# Altium PCB second.PcbDoc
Units mm, origin at the board's own origin, x right, y up, seen from the top; angles counter-clockwise.
Board outline 173.35 x 119.25 mm, 2 copper layers (Top Layer, Bottom Layer); 150 components, 118 nets, 424 pads, 45 vias.
Unrouted connection lines stored in the file: 1.
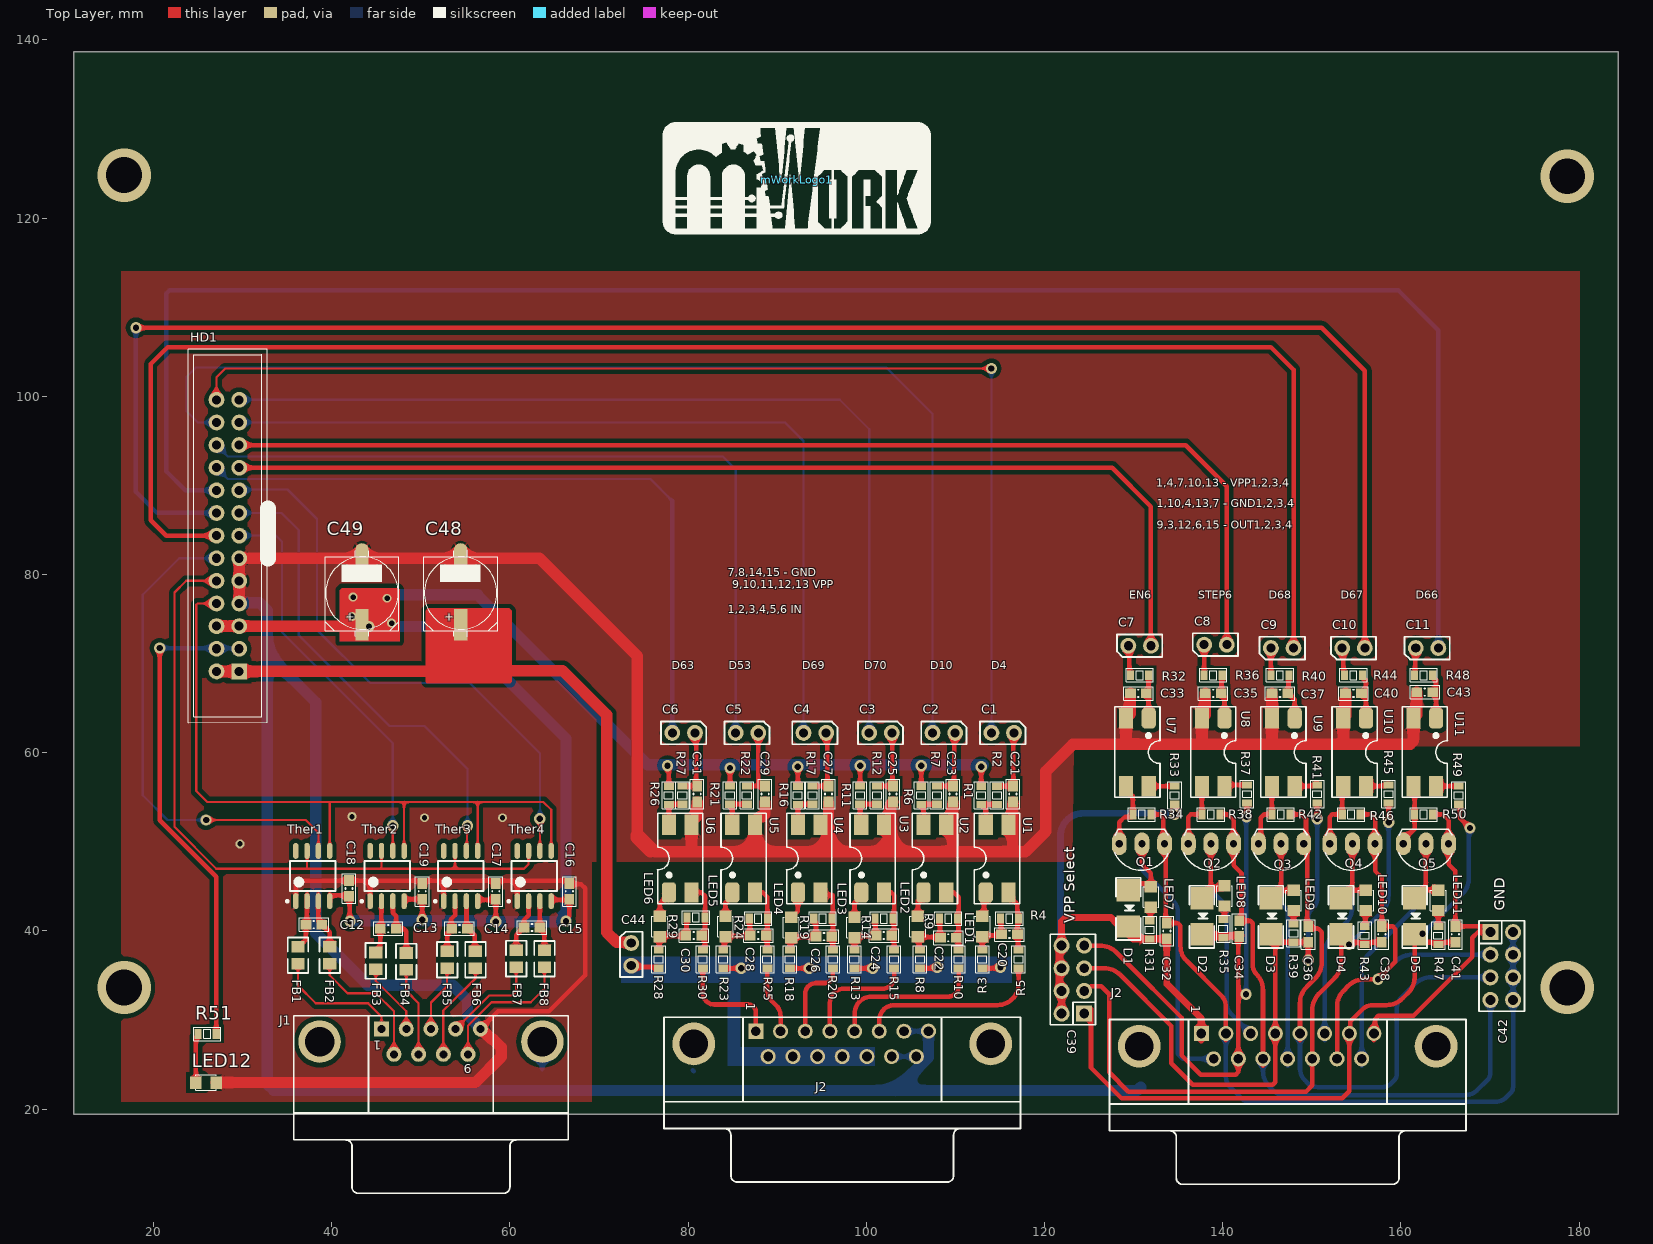
[diagram p0: Top Layer view]
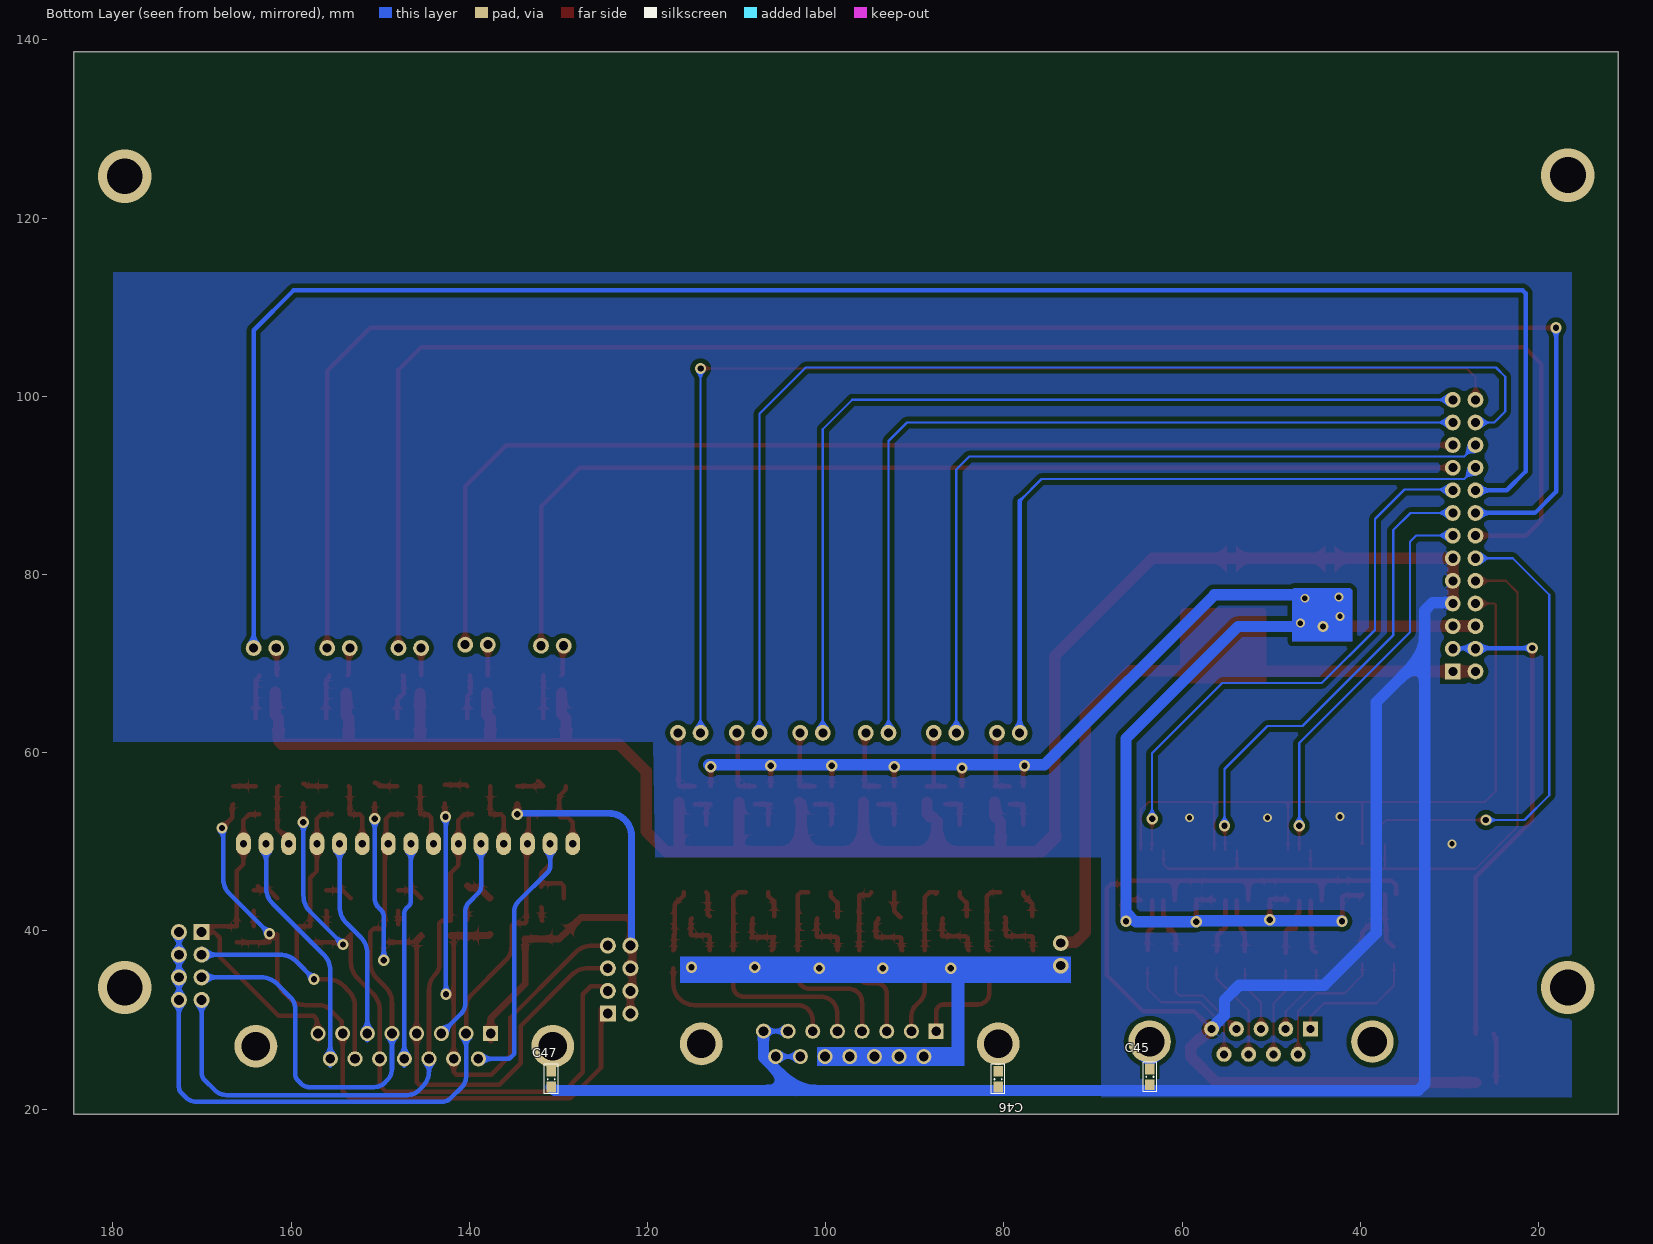
[diagram p1: Bottom Layer view, seen from below]
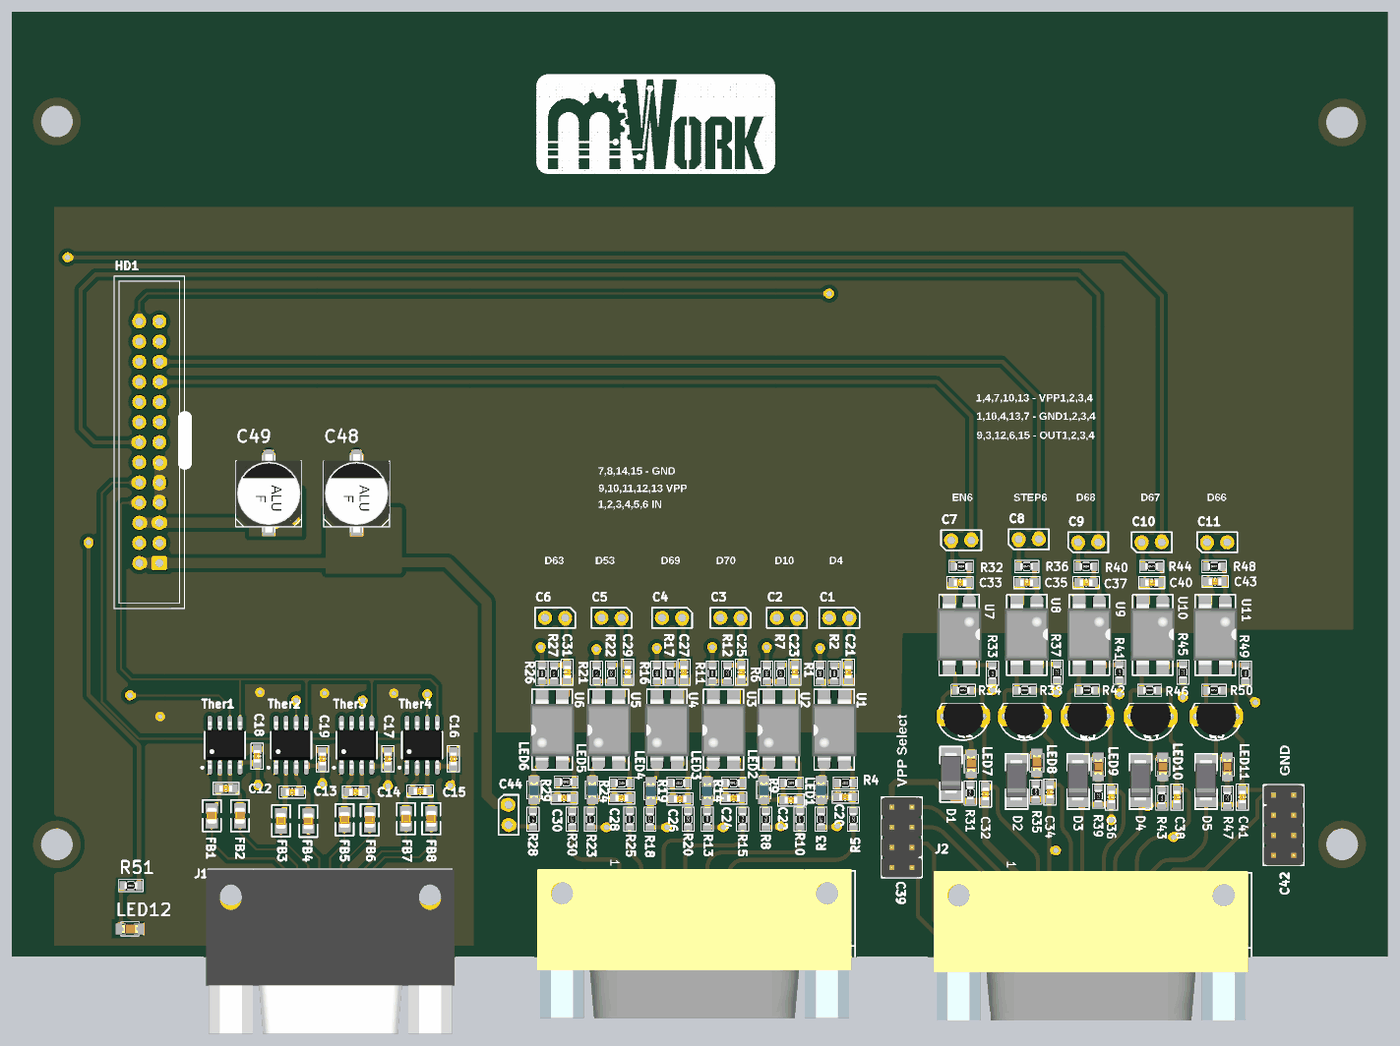
[diagram p2: 3D render of the assembled board from above, using the file's embedded part models]
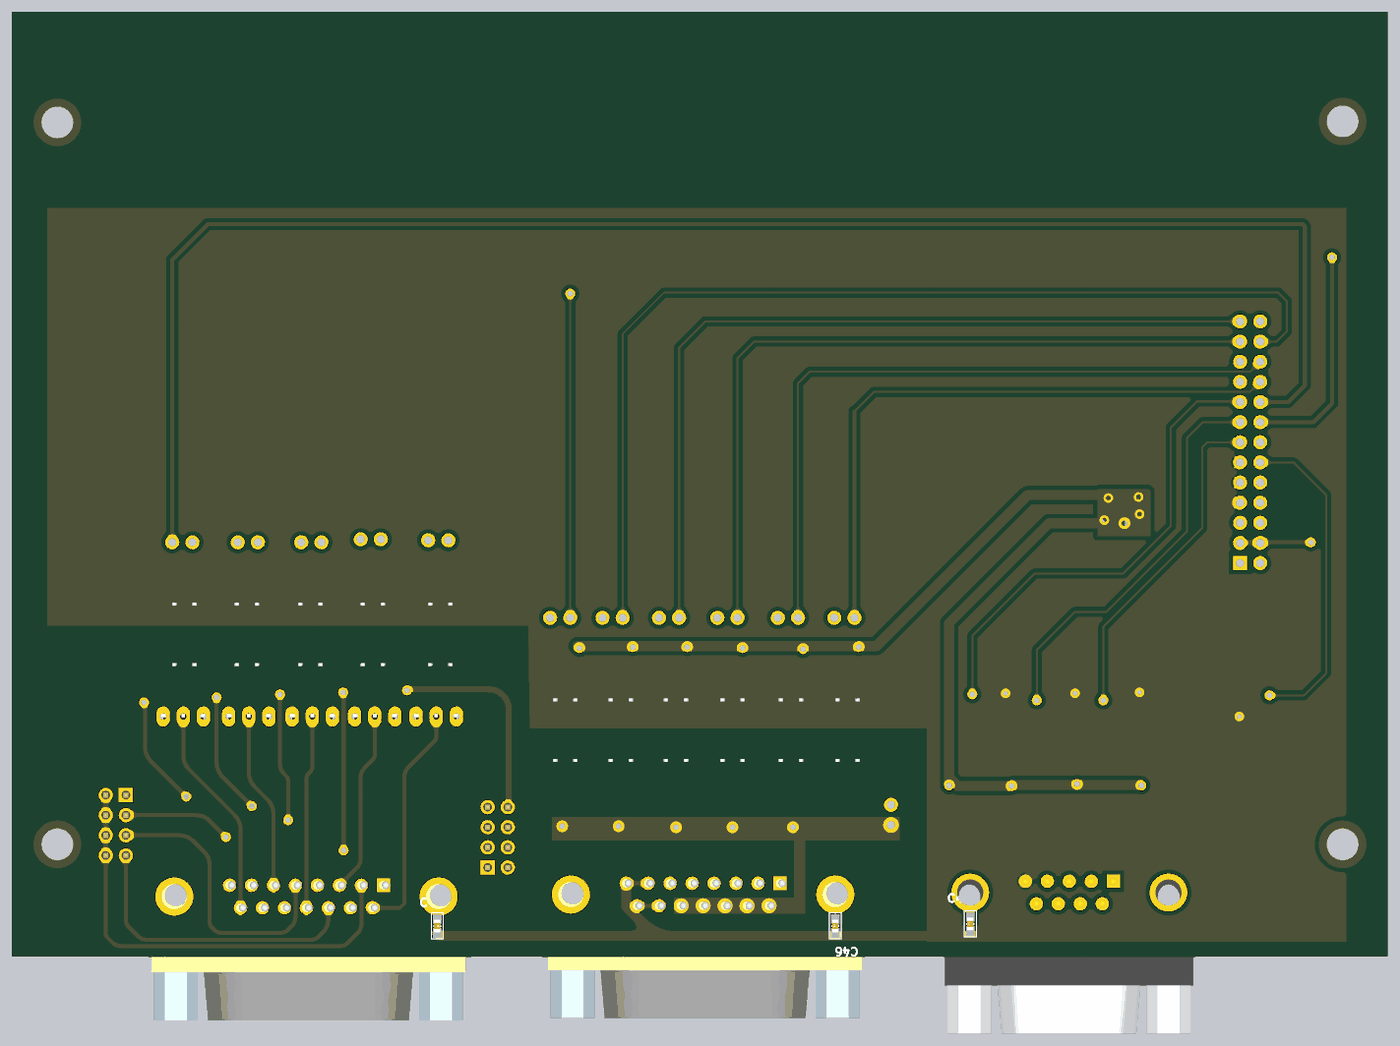
[diagram p3: 3D render of the assembled board from below, using the file's embedded part models]

## Layer stack, top to bottom
Top Solder: solder mask 0.0102, Solder Resist, Dk 3.5
Top Layer: signal copper 0.0356
Dielectric 1: dielectric 0.32, FR-4, Dk 4.8
Bottom Layer: signal copper 0.0356
Bottom Solder: solder mask 0.0102, Solder Resist, Dk 3.5

## Board outline
11.049,19.431 184.404,19.431 184.404,138.684 11.049,138.684

## Design rules (kind name [scope] priority, off if disabled: settings)
Clearance Polygon [InNamedPolygon('GND_L02_P000')    or InNamedPolygon('GND_L01_P001')] p1: gap=0.508 ignorepadtopadclearanceinfootprint=FALSE
Clearance [All] p2: gap=0.254 ignorepadtopadclearanceinfootprint=FALSE except(0: Arc-Hole Track-Hole SMDPad-Hole THPad-Hole Via-Hole Fill-Hole Poly-Hole Region-Hole Text-Hole)
PolygonConnect [All] p1: thpad.connectstyle=Relief thpad.reliefconductorwidth=0.254 thpad.reliefentries=4 thpad.polygonreliefangle="45 Angle" thpad.airgapwidth=0.254 smdpad.connectstyle=Relief smdpad.reliefconductorwidth=0.254 smdpad.reliefentries=4 smdpad.polygonreliefangle="45 Angle" smdpad.airgapwidth=0.254 via.connectstyle=Direct via.reliefconductorwidth=0.254 via.reliefentries=4 via.polygonreliefangle="45 Angle" via.airgapwidth=0.254
RoomDefinition OUTPUT [InComponentClass('OUTPUT')] p1: confinementstyle=ConfineIn formatcopy=TRUE lockcomponents=FALSE outline 185.547,20.955 488.569,20.955 488.569,199.263 185.547,199.263
RoomDefinition Thermitor [InComponentClass('Thermitor')] p2: confinementstyle=ConfineIn formatcopy=TRUE lockcomponents=FALSE outline 185.547,20.955 484.124,20.955 484.124,199.263 185.547,199.263
RoomDefinition Main [InComponentClass('Main')] p3: confinementstyle=ConfineIn formatcopy=TRUE lockcomponents=FALSE outline 185.547,59.563 484.124,59.563 484.124,199.263 185.547,199.263
RoomDefinition INPUT [InComponentClass('INPUT')] p4: confinementstyle=ConfineIn formatcopy=TRUE lockcomponents=FALSE outline 185.547,20.955 488.569,20.955 488.569,199.263 185.547,199.263
RoutingVias [All] p1: holewidth=0.6 width=1 viastyle="Through Hole" minholewidth=0.6 minwidth=1 maxholewidth=0.6 maxwidth=1
SolderMaskExpansion [All] p1: expansion=0.102 istentingtop=FALSE
Width [All] p1: maxlimit=2.54 minlimit=0.254 preferedwidth=0.762
30 further rules are at their usual default settings.

## Classes and differential pairs
component class Thermitor: C12 C13 C14 C15 C16 C17 C18 C45 FB1 FB2 FB3 FB4 FB5 FB6 FB7 FB8 Ther1 Ther2 Ther3 Ther4
component class OUTPUT: C32 C33 C34 C35 C36 C37 C38 C39 C40 C41 C42 C43 C47 D1 D2 D3 D4 D5 J2 LED7 LED8 LED9 LED10 Q1 Q2 Q3 Q4 Q5 R31 R32 R33 R34 R35 R36 R37 R38 R39 R40 R41 R42 R43 R44 R46 R47 R48 R49 R50 U7 U8 U9 U10 U11
component class Main: C1 C2 C3 C4 C5 C6 C7 C8 C9 C10 C11 C48 C49 HD1 LED12 mWorkLogo1 R51
component class INPUT: C20 C21 C22 C23 C24 C25 C26 C27 C28 C29 C30 C31 C44 C46 J2 LED1 LED2 LED3 LED4 LED5 LED6 R1 R2 R3 R4 R5 R6 R7 R8 R9 R10 R11 R12 R13 R14 R15 R16 R17 R18 R19 R20 R21 R22 R23 R24 R25 R26 R27 R28 R29 R30 U1 U2 U3 U4 U5 U6

## Components (designator, comment, footprint, x,y, rotation, side; value= is the part's Value field where it differs from the comment)
C1 "JP2" JP2-CLOSED 116.586,62.23 r270 top
C2 "JP2" JP2-CLOSED 109.982,62.23 r270 top
C3 "JP2" JP2-CLOSED 102.87,62.23 r270 top
C4 "JP2" JP2-CLOSED 95.504,62.23 r270 top
C5 "JP2" JP2-CLOSED 87.884,62.23 r270 top
C6 "JP2" JP2-CLOSED 80.772,62.23 r270 top
C7 "JP2" JP2-CLOSED 129.413,72.009 r90 top
C8 "JP2" JP2-CLOSED 137.922,72.136 r90 top
C9 "JP2" JP2-CLOSED 145.415,71.755 r90 top
C10 "JP2" JP2-CLOSED 153.416,71.755 r90 top
C11 "JP2" JP2-CLOSED 161.671,71.755 r90 top
C12 "10nF" CN-SMD-0603_big 38.004,40.706 r180 top value=33pF
C13 "10nF" CN-SMD-0603_big 46.355,40.259 r180 top value=33pF
C14 "10nF" CN-SMD-0603_big 54.356,40.259 r180 top value=33pF
C15 "10nF" CN-SMD-0603_big 62.484,40.386 r180 top value=33pF
C16 "100nF" CN-SMD-0603_big 66.675,44.45 r270 top value=33pF
C17 "100nF" CN-SMD-0603_big 58.42,44.45 r270 top value=33pF
C18 "100nF" CN-SMD-0603_big 41.941,44.77 r270 top value=33pF
C19 "100nF" CN-SMD-0603_big 50.165,44.45 r270 top value=33pF
C20 "CN" CN-SMD-0603_big 116.078,39.624 r180 top value=33pF
C21 "CN" CN-SMD-0603_big 116.459,55.372 r90 top value=33pF
C22 "CN" CN-SMD-0603_big 109.22,39.243 r180 top value=33pF
C23 "CN" CN-SMD-0603_big 109.728,55.372 r90 top value=33pF
C24 "CN" CN-SMD-0603_big 101.981,39.497 r180 top value=33pF
C25 "CN" CN-SMD-0603_big 102.997,55.372 r90 top value=33pF
C26 "CN" CN-SMD-0603_big 95.25,39.37 r180 top value=33pF
C27 "CN" CN-SMD-0603_big 95.758,55.372 r90 top value=33pF
C28 "CN" CN-SMD-0603_big 87.884,39.497 r180 top value=33pF
C29 "CN" CN-SMD-0603_big 88.646,55.372 r90 top value=33pF
C30 "CN" CN-SMD-0603_big 80.645,39.497 r180 top value=33pF
C31 "CN" CN-SMD-0603_big 81.026,55.372 r90 top value=33pF
C32 "CN" CN-SMD-0603_big 133.731,40.005 r270 top value=33pF
C33 "CN" CN-SMD-0603_big 130.542,66.675 r0 top value=33pF
C34 "CN" CN-SMD-0603_big 141.859,40.259 r270 top value=33pF
C35 "CN" CN-SMD-0603_big 138.938,66.675 r0 top value=33pF
C36 "CN" CN-SMD-0603_big 149.606,39.624 r270 top value=33pF
C37 "CN" CN-SMD-0603_big 146.431,66.675 r0 top value=33pF
C38 "CN" CN-SMD-0603_big 157.861,39.624 r270 top value=33pF
C39 "JP4x2" JP4-D2T 123.19,34.544 r90 top
C40 "CN" CN-SMD-0603_big 154.686,66.675 r0 top value=33pF
C41 "CN" CN-SMD-0603_big 166.116,39.624 r270 top value=33pF
C42 "JP4x2" JP4-D2T 171.323,36.068 r270 top
C43 "CN" CN-SMD-0603_big 162.687,66.802 r0 top value=33pF
C44 "PowerSenSor" JP2-CLOSED 73.622,38.642 r0 top
C45 "10nF" CN-SMD-0603_big 63.627,23.622 r90 bottom value=33pF
C46 "CN" CN-SMD-0603_big 80.645,23.368 r90 bottom value=33pF
C47 "CN" CN-SMD-0603_big 130.81,23.368 r270 bottom value=33pF
C48 "CN-ALU-SMD" CAP-ALU-SMD-F 54.471,77.932 r90 top
C49 "CN-ALU-SMD" CAP-ALU-SMD-F 43.404,77.932 r90 top
D1 "Diode" DIO-SMD-106-HayDung 129.413,42.545 r90 top value=1N5007
D2 "Diode" DIO-SMD-106-HayDung 137.668,41.656 r90 top value=1N5007
D3 "Diode" DIO-SMD-106-HayDung 145.415,41.656 r90 top value=1N5007
D4 "Diode" DIO-SMD-106-HayDung 153.289,41.656 r90 top value=1N5007
D5 "Diode" DIO-SMD-106-HayDung 161.544,41.656 r90 top value=1N5007
FB1 "FB" Capacitor_805 36.226,37.277 r270 top
FB2 "FB" Capacitor_805 39.782,37.277 r270 top
FB3 "FB" Capacitor_805 44.958,36.637 r270 top
FB4 "FB" Capacitor_805 48.387,36.576 r270 top
FB5 "FB" Capacitor_805 52.959,36.764 r270 top
FB6 "FB" Capacitor_805 56.134,36.764 r270 top
FB7 "FB" Capacitor_805 60.706,36.896 r270 top
FB8 "FB" Capacitor_805 63.881,36.891 r270 top
HD1 "IDC 13X2" IDC26-B 29.622,69.133 r90 top value="Header 5x2"
J1 "DRB-09P11G1R" DB9_MALE 46.99,26.162 r180 top
J2 "A32121-ND" DB15 147.296,17.574 r180 top
J2 "A32121-ND" DB15 97.306,17.828 r180 top
LED1 "MinZ" LED-0805-Blue 113.03,39.37 r90 top value="LED 3 - 5 ly 2 Colour"
LED2 "MinZ" LED-0805-Blue 105.791,39.37 r90 top value="LED 3 - 5 ly 2 Colour"
LED3 "MinZ" LED-0805-Blue 98.679,39.243 r90 top value="LED 3 - 5 ly 2 Colour"
LED4 "MinZ" LED-0805-Blue 91.567,39.243 r90 top value="LED 3 - 5 ly 2 Colour"
LED5 "MinZ" LED-0805-Blue 84.201,39.37 r90 top value="LED 3 - 5 ly 2 Colour"
LED6 "MinZ" LED-0805-Blue 76.835,39.37 r90 top value="LED 3 - 5 ly 2 Colour"
LED7 "LED" LED-0805-Red 131.953,42.672 r90 top value="LED 3 - 5 ly 2 Colour"
LED8 "LED" LED-0805-Red 140.208,42.799 r90 top value="LED 3 - 5 ly 2 Colour"
LED9 "LED" LED-0805-Red 147.955,42.291 r90 top value="LED 3 - 5 ly 2 Colour"
LED10 "LED" LED-0805-Red 156.083,42.291 r90 top value="LED 3 - 5 ly 2 Colour"
LED11 "LED" LED-0805-Red 164.211,42.291 r90 top value="LED 3 - 5 ly 2 Colour"
LED12 "LED" LED-0805-Red 24.765,22.987 r0 top value="LED 3 - 5 ly 2 Colour"
mWorkLogo1 "LogoMwork" LogoMwork30*12 92.202,124.333 r0 top
Q1 "2SC1815" TO92-123 130.937,49.784 r180 top value=C1815
Q2 "2SC1815" TO92-123 138.684,49.784 r180 top value=C1815
Q3 "2SC1815" TO92-123 146.558,49.784 r180 top value=C1815
Q4 "2SC1815" TO92-123 154.559,49.784 r180 top value=C1815
Q5 "2SC1815" TO92-123 162.814,49.784 r180 top value=C1815
R1 "10K" RES-SMD-0603_BIG 112.903,55.231 r270 top
R2 "120R" RES-SMD-0603_BIG 114.681,55.231 r270 top
R3 "R" RES-SMD-0603_BIG 113.03,36.83 r90 top
R4 "R" RES-SMD-0603_BIG 116.078,41.402 r0 top
R5 "1K" RES-SMD-0603_BIG 117.094,36.83 r90 top
R6 "10K" RES-SMD-0603_BIG 106.172,55.231 r270 top
R7 "120R" RES-SMD-0603_BIG 107.95,55.245 r270 top
R8 "R" RES-SMD-0603_BIG 106.045,36.83 r90 top
R9 "R" RES-SMD-0603_BIG 109.22,41.402 r0 top
R10 "1K" RES-SMD-0603_BIG 110.363,36.83 r90 top
R11 "10K" RES-SMD-0603_BIG 99.314,55.245 r270 top
R12 "120R" RES-SMD-0603_BIG 101.219,55.245 r270 top
R13 "R" RES-SMD-0603_BIG 98.679,36.83 r90 top
R14 "R" RES-SMD-0603_BIG 101.981,41.402 r0 top
R15 "1K" RES-SMD-0603_BIG 103.124,36.83 r90 top
R16 "10K" RES-SMD-0603_BIG 92.329,55.231 r270 top
R17 "120R" RES-SMD-0603_BIG 93.98,55.245 r270 top
R18 "R" RES-SMD-0603_BIG 91.44,36.83 r90 top
R19 "R" RES-SMD-0603_BIG 95.123,41.402 r0 top
R20 "1K" RES-SMD-0603_BIG 96.266,36.83 r90 top
R21 "10K" RES-SMD-0603_BIG 84.709,55.245 r270 top
R22 "120R" RES-SMD-0603_BIG 86.614,55.245 r270 top
R23 "R" RES-SMD-0603_BIG 83.947,36.83 r90 top
R24 "R" RES-SMD-0603_BIG 87.884,41.402 r0 top
R25 "1K" RES-SMD-0603_BIG 88.9,36.83 r90 top
R26 "10K" RES-SMD-0603_BIG 77.851,55.231 r270 top
R27 "120R" RES-SMD-0603_BIG 79.375,55.245 r270 top
R28 "R" RES-SMD-0603_BIG 76.708,36.83 r90 top
R29 "R" RES-SMD-0603_BIG 80.899,41.529 r0 top
R30 "1K" RES-SMD-0603_BIG 81.661,36.83 r90 top
R31 "120R" RES-SMD-0603_BIG 131.826,40.132 r270 top
R32 "120R" RES-SMD-0603_BIG 130.683,68.707 r0 top
R33 "1K" RES-SMD-0603_BIG 134.62,55.245 r270 top
R34 "10k" RES-SMD-0603_BIG 130.937,53.086 r180 top
R35 "120R" RES-SMD-0603_BIG 140.081,40.259 r270 top
R36 "120R" RES-SMD-0603_BIG 138.938,68.707 r0 top
R37 "1K" RES-SMD-0603_BIG 142.748,55.372 r270 top
R38 "10k" RES-SMD-0603_BIG 138.684,53.086 r180 top
R39 "120R" RES-SMD-0603_BIG 147.955,39.751 r270 top
R40 "120R" RES-SMD-0603_BIG 146.431,68.707 r0 top
R41 "1K" RES-SMD-0603_BIG 150.622,55.372 r270 top
R42 "10k" RES-SMD-0603_BIG 146.538,53.086 r180 top
R43 "120R" RES-SMD-0603_BIG 155.956,39.497 r270 top
R44 "120R" RES-SMD-0603_BIG 154.686,68.707 r0 top
R45 "1K" RES-SMD-0603_BIG 158.623,55.372 r270 top
R46 "10k" RES-SMD-0603_BIG 154.432,53.086 r180 top
R47 "120R" RES-SMD-0603_BIG 164.211,39.497 r270 top
R48 "120R" RES-SMD-0603_BIG 162.56,68.707 r0 top
R49 "1K" RES-SMD-0603_BIG 166.497,55.245 r270 top
R50 "10k" RES-SMD-0603_BIG 162.56,53.086 r180 top
R51 "120R" RES-SMD-0603_BIG 26.035,28.448 r0 top
Ther1 "MAX31855" SO8 37.877,46.167 r90 top
Ther2 "MAX31855" SO8 46.228,46.167 r90 top
Ther3 "MAX31855" SO8 54.483,46.167 r90 top
Ther4 "MAX31855" SO8 62.738,46.167 r90 top
U1 "PC817" PC817SMT 113.411,44.323 r0 top
U2 "PC817" PC817SMT 106.426,44.323 r0 top
U3 "PC817" PC817SMT 99.441,44.323 r0 top
U4 "PC817" PC817SMT 92.329,44.323 r0 top
U5 "PC817" PC817SMT 84.963,44.323 r0 top
U6 "PC817" PC817SMT 77.851,44.323 r0 top
U7 "PC817" PC817SMT 131.699,63.881 r180 top
U8 "PC817" PC817SMT 140.208,63.881 r180 top
U9 "PC817" PC817SMT 148.082,63.881 r180 top
U10 "PC817" PC817SMT 156.083,63.881 r180 top
U11 "PC817" PC817SMT 163.957,63.881 r180 top

## Footprints (in the part's own frame and the unit in brackets; to place one, negate y for a bottom-side part, rotate by r counter-clockwise, add the part's x,y. Pads: shape width x height; smd on the part's side, far side on the other; paste and mask are expansions set on the pad)
CAP-ALU-SMD-F [mil]
  rect 140x59.06 smd: 1(-140,0)
  oval 140x59.06 smd: 2(150,0)
  silkscreen extent -192,-163 187,163, body extent -195,-163 195,163, height 402
Capacitor_805 [mm]
  rect 1.3x1.5 smd: 1(0.95,0) 2(-0.95,0)
  silkscreen extent -2,-1.15 2,1.15, body extent -1,-0.63 1,0.62, height 0.78
CN-SMD-0603_big [mm]
  rect 1.2x1.1 smd: 1(-0.889,0) 2(0.889,0)
  silkscreen extent -1.65,-0.76 1.65,0.76, body extent -0.8,-0.4 0.8,0.4, height 0.3
DB9_MALE [mm]
  rect 1.69x1.69 hole 0.9: 1(1.385,-2.84)
  round 1.69 hole 0.9: 2(-1.385,-2.84) 3(-4.155,-2.84) 4(-6.925,-2.84) 6(0,0) 7(-2.77,0) 8(-5.54,0) 9(-8.31,0)
  round 1.69 hole 0.9 mask+0: 5(-9.695,-2.84)
  round 4.76 hole 3.3: 10(-16.65,-1.42) 11(8.34,-1.42)
  silkscreen extent -19.56,-4.32 11.24,15.6, body extent -19.85,-4.33 11.47,16.38, height 12.66
DB15 [mm] "Connector; D Subminiature AMPLIMITE 2000; 15 Position; Right Angle"
  rect 1.69x1.69 hole 1.09: 1(9.695,-10.92)
  round 1.69 hole 1.09: 2(6.925,-10.92) 3(4.155,-10.92) 4(1.385,-10.92) 5(-1.385,-10.92) 6(-4.155,-10.92) 7(-6.925,-10.92) 8(-9.683,-10.925) 9(8.31,-8.08) 10(5.54,-8.08) 11(2.77,-8.08) 12(0,-8.08) 13(-2.77,-8.08) 14(-5.54,-8.08) 15(-8.31,-8.08)
  round 4.8 hole 3.18: 16(16.66,-9.5) 17(-16.66,-9.5)
  silkscreen extent -20,-12.5 20,6, body extent -19.56,-12.7 20.06,6.1, height 12.56
DIO-SMD-106-HayDung [mm]
  rect 2.5x2.6 smd: 1(2.032,0) 2(-2.032,0)
  silkscreen extent -3.56,-1.4 3.43,1.4, body extent -2.51,-1.28 2.69,1.32, height 2.4
IDC26-B [mil]
  rect 70x70 hole 40: 1(0,0)
  round 70 hole 40: 2(0,100) 3(100,0) 4(100,100) 5(200,0) 6(200,100) 7(300,0) 8(300,100) 9(400,0) 10(400,100) 11(500,0) 12(500,100) 13(600,0) 14(600,100) 15(700,0) 16(700,100) 17(800,0) 18(800,100) 19(900,0) 20(900,100) 21(1000,0) 22(1000,100) 23(1100,0) 24(1100,100) 25(1200,0) 26(1200,100)
  silkscreen extent -226,-125 1425,225, body extent -225,-125 1425,225, height 358
JP2-CLOSED [mil]
  round 70 hole 40: 1(0,0) 2(0,-100)
  silkscreen extent -50,-150 50,50, body extent -50,-152 50,50, height 300
JP4-D2T [mm] "8 pins, dual pin, straight, gold plating"
  rect 1.8x1.8 hole 1.1: 1(-3.81,-1.27)
  round 1.8 hole 1.1: 2(-1.27,-1.27) 3(1.27,-1.27) 4(3.81,-1.27) 5(3.81,1.27) 6(1.27,1.27) 7(-1.27,1.27) 8(-3.81,1.27)
  silkscreen extent -5.08,-2.54 5.08,2.54, body extent -5.08,-2.54 5.08,2.54, height 8.55
LED-0805-Blue [mil]
  rect 50x55 smd: 1(0,0) 2(90,0)
  silkscreen extent 0,-35 90,35, body extent 5,-25 85,25, height 43
LED-0805-Red [mil]
  rect 50x55 smd: 1(0,0) 2(90,0)
  silkscreen extent 0,-35 90,35, body extent 5,-25 85,25, height 43
LogoMwork30*12 [mm] "30mm*12mm"
  silkscreen extent -15.05,-6.08 15.03,6.41
PC817SMT [mm] "4 PIN, W 300mil, Pin to pin 100mil"
  rrect50% 1.6x2.286 smd: 1(0,0)
  rect 1.6x2.286 smd: 2(2.54,0) 3(2.54,7.62) 4(0,7.62)
  silkscreen extent -1.28,-1.27 3.81,8.89, body extent -1.5,-0.25 4.04,7.75, height 4.31
RES-SMD-0603_BIG [mm]
  rect 0.8x1.1 smd: 1(-1.016,0) 2(1.016,0)
  silkscreen extent -1.52,-0.76 1.52,0.76, body extent -0.8,-0.4 0.8,0.4, height 0.43
SO8 [mm] "SOIC, 8-Leads, Body 4.9x3.9mm, Pitch 1.27mm, IPC High Density"
  oval 1.8x0.6 smd: 1(-2.825,1.905) 2(-2.825,0.635) 3(-2.825,-0.635) 4(-2.825,-1.905) 5(2.825,-1.905) 6(2.825,-0.635) 7(2.825,0.635) 8(2.825,1.905)
  silkscreen extent -2.95,-2.55 1.68,2.98, body extent -2.99,-2.45 3,2.45, height 1.6
TO92-123 [mil] "TO-92"
  oval 66x100 hole 32: 1(-100,0) 2(0,0) 3(100,0)
  silkscreen extent -117,-65 120,118, body extent -109,-66 109,95, height 245